# Altium PCB Cyberdeck.PcbDoc (part 2 of 2)
Units mm, origin at the board's own origin, x right, y up, seen from the top; angles counter-clockwise.
Board outline 150 x 120 mm, 2 copper layers (Top Layer, Bottom Layer), stack 1.535 mm thick; 72 components, 114 nets, 477 pads, 1633 vias.
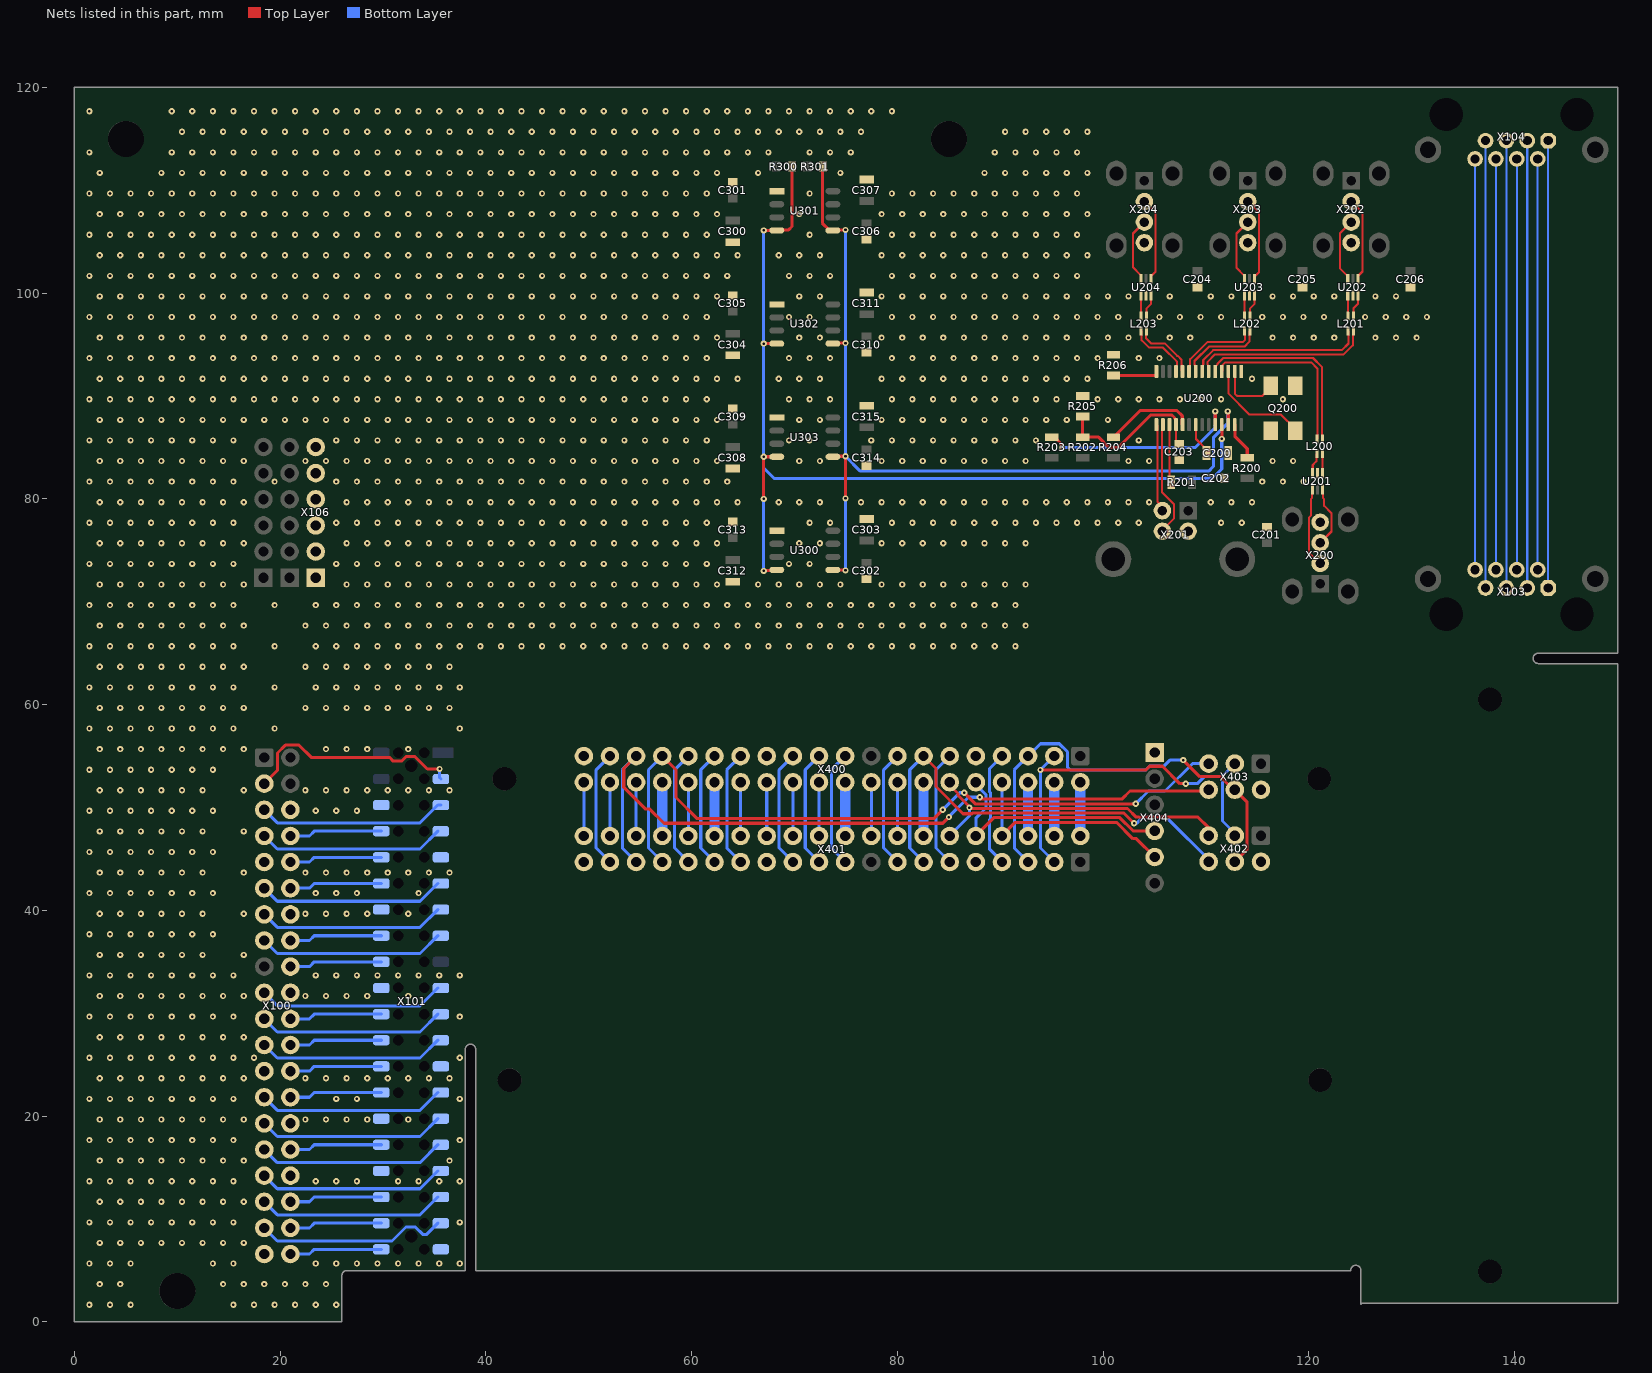
[diagram p2: the nets of this part, all layers, seen from the top]

## Via types
v1: diameter 0.6, hole 0.25, Top Layer to Bottom Layer, tented both sides, 1557 vias
v2: diameter 0.25, hole 0.25, Top Layer to Bottom Layer, tented both sides, 72 vias
v3: diameter 0.8, hole 0.3, Top Layer to Bottom Layer, 4 vias

## Nets (pads, with @x,y where several pads share a name; then routed paths per layer and width w, separated by ;. In a path a pad name is that pad's centre, name@x,y a point inside that pad or via, vN(x,y) a via of type N, cw(c..) or ccw(c..) an arc to the next point about the centre after c; other vN are vias at no path point) (continued)
GND: C200.2 C201.2 C202.1 C203.1 C204.2 C205.2 C206.2 C300.1 C301.1 C302.1 C303.1 C304.1 C305.1 C306.1 C307.1 C308.1 C309.1 C310.1 C311.1 C312.1 C313.1 C314.1 C315.1 Q200.2 Q200.4 R205.1 R206.2 U200.1 U201.2 U202.2 U203.2 U204.2 U300.1 U301.1 U302.1 U303.1 X100.6 X100.9 X100.14 X100.20 X100.25 X100.30 X100.34 X100.39 X101.6 X101.9 X101.14 X101.20 X101.25 X101.30 X101.34 X101.39 X106.1 X106.2 X106.3 X106.4 X106.5 X106.6 X200.4 X201.4 X202.4 X203.4 X204.4
  other v1: 1.46,1.68 3.46,1.68 5.46,1.68 15.46,1.68 17.46,1.68 19.46,1.68 21.46,1.68 23.46,1.68 25.46,1.68 2.46,3.68 4.46,3.68 14.46,3.68 16.46,3.68 18.46,3.68 20.46,3.68 22.46,3.68 24.46,3.68 1.46,5.68 3.46,5.68 5.46,5.68 13.46,5.68 15.46,5.68 23.46,5.68 25.46,5.68 27.46,5.68 29.46,5.68 31.46,5.68 33.46,5.68 35.46,5.68 37.46,5.68 2.46,7.68 4.46,7.68 6.46,7.68 8.46,7.68 10.46,7.68 12.46,7.68 14.46,7.68 16.46,7.68 1.46,9.68 3.46,9.68 5.46,9.68 7.46,9.68 9.46,9.68 11.46,9.68 13.46,9.68 15.46,9.68 37.46,9.68 2.46,11.68 4.46,11.68 6.46,11.68 8.46,11.68 10.46,11.68 12.46,11.68 14.46,11.68 16.46,11.68 1.46,13.68 3.46,13.68 5.46,13.68 7.46,13.68 9.46,13.68 11.46,13.68 13.46,13.68 15.46,13.68 23.46,13.68 25.46,13.68 27.46,13.68 31.46,13.68 33.46,13.68 35.46,13.68 37.46,13.68 2.46,15.68 4.46,15.68 6.46,15.68 8.46,15.68 10.46,15.68 12.46,15.68 14.46,15.68 16.46,15.68 36.46,15.68 1.46,17.68 3.46,17.68 5.46,17.68 7.46,17.68 9.46,17.68 11.46,17.68 13.46,17.68 15.46,17.68 37.46,17.68 2.46,19.68 4.46,19.68 6.46,19.68 8.46,19.68 10.46,19.68 12.46,19.68 14.46,19.68 16.46,19.68 22.46,19.68 24.46,19.68 26.46,19.68 28.46,19.68 32.46,19.68 1.46,21.68 3.46,21.68 5.46,21.68 7.46,21.68 9.46,21.68 11.46,21.68 13.46,21.68 15.46,21.68 25.46,21.68 27.46,21.68 37.46,21.68 2.46,23.68 4.46,23.68 6.46,23.68 8.46,23.68 10.46,23.68 12.46,23.68 14.46,23.68 16.46,23.68 22.46,23.68 24.46,23.68 26.46,23.68 28.46,23.68 30.46,23.68 32.46,23.68 34.46,23.68 36.46,23.68 1.46,25.68 3.46,25.68 5.46,25.68 7.46,25.68 9.46,25.68 11.46,25.68 13.46,25.68 15.46,25.68 17.46,25.68 37.46,25.68 2.46,27.68 4.46,27.68 6.46,27.68 8.46,27.68 10.46,27.68 12.46,27.68 14.46,27.68 16.46,27.68 1.46,29.68 3.46,29.68 5.46,29.68 7.46,29.68 9.46,29.68 11.46,29.68 13.46,29.68 15.46,29.68 37.46,29.68 2.46,31.68 4.46,31.68 6.46,31.68 8.46,31.68 10.46,31.68 12.46,31.68 14.46,31.68 16.46,31.68 22.46,31.68 24.46,31.68 26.46,31.68 28.46,31.68 32.46,31.68 1.46,33.68 3.46,33.68 5.46,33.68 7.46,33.68 9.46,33.68 11.46,33.68 13.46,33.68 15.46,33.68 23.46,33.68 25.46,33.68 27.46,33.68 29.46,33.68 31.46,33.68 33.46,33.68 35.46,33.68 37.46,33.68 2.46,35.68 4.46,35.68 6.46,35.68 8.46,35.68 10.46,35.68 12.46,35.68 16.46,35.68 1.46,37.68 3.46,37.68 5.46,37.68 7.46,37.68 9.46,37.68 11.46,37.68 13.46,37.68 2.46,39.68 4.46,39.68 6.46,39.68 8.46,39.68 10.46,39.68 12.46,39.68 16.46,39.68 22.46,39.68 24.46,39.68 26.46,39.68 28.46,39.68 32.46,39.68 1.46,41.68 3.46,41.68 5.46,41.68 7.46,41.68 9.46,41.68 11.46,41.68 13.46,41.68 23.46,41.68 25.46,41.68 27.46,41.68 33.46,41.68 2.46,43.68 4.46,43.68 6.46,43.68 8.46,43.68 10.46,43.68 12.46,43.68 16.46,43.68 22.46,43.68 24.46,43.68 26.46,43.68 28.46,43.68 30.46,43.68 32.46,43.68 34.46,43.68 36.46,43.68 1.46,45.68 3.46,45.68 5.46,45.68 7.46,45.68 9.46,45.68 11.46,45.68 13.46,45.68 2.46,47.68 4.46,47.68 6.46,47.68 8.46,47.68 10.46,47.68 12.46,47.68 16.46,47.68 1.46,49.68 3.46,49.68 5.46,49.68 7.46,49.68 9.46,49.68 11.46,49.68 13.46,49.68 23.46,49.68 25.46,49.68 27.46,49.68 2.46,51.68 4.46,51.68 6.46,51.68 8.46,51.68 10.46,51.68 12.46,51.68 16.46,51.68 22.46,51.68 24.46,51.68 26.46,51.68 28.46,51.68 30.46,51.68 32.46,51.68 34.46,51.68 36.46,51.68 1.46,53.68 3.46,53.68 5.46,53.68 7.46,53.68 9.46,53.68 11.46,53.68 13.46,53.68 2.46,55.68 4.46,55.68 6.46,55.68 8.46,55.68 10.46,55.68 12.46,55.68 14.46,55.68 16.46,55.68 24.46,55.68 26.46,55.68 28.46,55.68 32.46,55.68 1.46,57.68 3.46,57.68 5.46,57.68 7.46,57.68 9.46,57.68 11.46,57.68 13.46,57.68 15.46,57.68 19.46,57.68 37.46,57.68 2.46,59.68 4.46,59.68 6.46,59.68 8.46,59.68 10.46,59.68 12.46,59.68 14.46,59.68 16.46,59.68 22.46,59.68 24.46,59.68 26.46,59.68 28.46,59.68 30.46,59.68 32.46,59.68 34.46,59.68 36.46,59.68 1.46,61.68 3.46,61.68 5.46,61.68 7.46,61.68 9.46,61.68 11.46,61.68 13.46,61.68 15.46,61.68 19.46,61.68 23.46,61.68 25.46,61.68 27.46,61.68 29.46,61.68 31.46,61.68 33.46,61.68 35.46,61.68 37.46,61.68 2.46,63.68 4.46,63.68 6.46,63.68 8.46,63.68 10.46,63.68 12.46,63.68 14.46,63.68 16.46,63.68 22.46,63.68 24.46,63.68 26.46,63.68 28.46,63.68 30.46,63.68 32.46,63.68 34.46,63.68 36.46,63.68 1.46,65.68 3.46,65.68 5.46,65.68 7.46,65.68 9.46,65.68 11.46,65.68 13.46,65.68 15.46,65.68 19.46,65.68 23.46,65.68 25.46,65.68 27.46,65.68 29.46,65.68 31.46,65.68 33.46,65.68 35.46,65.68 37.46,65.68 39.46,65.68 41.46,65.68 43.46,65.68 45.46,65.68 47.46,65.68 49.46,65.68 51.46,65.68 53.46,65.68 55.46,65.68 57.46,65.68 59.46,65.68 61.46,65.68 63.46,65.68 65.46,65.68 67.46,65.68 69.46,65.68 71.46,65.68 73.46,65.68 75.46,65.68 77.46,65.68 79.46,65.68 81.46,65.68 83.46,65.68 85.46,65.68 87.46,65.68 89.46,65.68 91.46,65.68 2.46,67.68 4.46,67.68 6.46,67.68 8.46,67.68 10.46,67.68 12.46,67.68 14.46,67.68 16.46,67.68 22.46,67.68 24.46,67.68 26.46,67.68 28.46,67.68 30.46,67.68 32.46,67.68 34.46,67.68 36.46,67.68 38.46,67.68 40.46,67.68 42.46,67.68 44.46,67.68 46.46,67.68 48.46,67.68 50.46,67.68 52.46,67.68 54.46,67.68 56.46,67.68 58.46,67.68 60.46,67.68 62.46,67.68 64.46,67.68 66.46,67.68 68.46,67.68 70.46,67.68 72.46,67.68 74.46,67.68 76.46,67.68 78.46,67.68 80.46,67.68 82.46,67.68 84.46,67.68 86.46,67.68 88.46,67.68 90.46,67.68 92.46,67.68 1.46,69.68 3.46,69.68 5.46,69.68 7.46,69.68 9.46,69.68 11.46,69.68 13.46,69.68 15.46,69.68 19.46,69.68 23.46,69.68 25.46,69.68 27.46,69.68 29.46,69.68 31.46,69.68 33.46,69.68 35.46,69.68 37.46,69.68 39.46,69.68 41.46,69.68 43.46,69.68 45.46,69.68 47.46,69.68 49.46,69.68 51.46,69.68 53.46,69.68 55.46,69.68 57.46,69.68 59.46,69.68 61.46,69.68 63.46,69.68 65.46,69.68 67.46,69.68 69.46,69.68 71.46,69.68 73.46,69.68 75.46,69.68 77.46,69.68 79.46,69.68 81.46,69.68 83.46,69.68 85.46,69.68 87.46,69.68 89.46,69.68 91.46,69.68 2.46,71.68 4.46,71.68 6.46,71.68 8.46,71.68 10.46,71.68 12.46,71.68 14.46,71.68 16.46,71.68 26.46,71.68 28.46,71.68 30.46,71.68 32.46,71.68 34.46,71.68 36.46,71.68 38.46,71.68 40.46,71.68 42.46,71.68 44.46,71.68 46.46,71.68 48.46,71.68 50.46,71.68 52.46,71.68 54.46,71.68 56.46,71.68 58.46,71.68 60.46,71.68 62.46,71.68 66.46,71.68 68.46,71.68 70.46,71.68 72.46,71.68 74.46,71.68 78.46,71.68 80.46,71.68 82.46,71.68 84.46,71.68 86.46,71.68 88.46,71.68 90.46,71.68 92.46,71.68 1.46,73.68 3.46,73.68 5.46,73.68 7.46,73.68 9.46,73.68 11.46,73.68 13.46,73.68 15.46,73.68 25.46,73.68 27.46,73.68 29.46,73.68 31.46,73.68 33.46,73.68 35.46,73.68 37.46,73.68 39.46,73.68 41.46,73.68 43.46,73.68 45.46,73.68 47.46,73.68 49.46,73.68 51.46,73.68 53.46,73.68 55.46,73.68 57.46,73.68 59.46,73.68 61.46,73.68 69.46,73.68 71.46,73.68 2.46,75.68 4.46,75.68 6.46,75.68 8.46,75.68 10.46,75.68 12.46,75.68 14.46,75.68 16.46,75.68 26.46,75.68 28.46,75.68 30.46,75.68 32.46,75.68 34.46,75.68 36.46,75.68 38.46,75.68 40.46,75.68 42.46,75.68 44.46,75.68 46.46,75.68 48.46,75.68 50.46,75.68 52.46,75.68 54.46,75.68 56.46,75.68 58.46,75.68 60.46,75.68 62.46,75.68 70.46,75.68 72.46,75.68 78.46,75.68 80.46,75.68 82.46,75.68 84.46,75.68 86.46,75.68 88.46,75.68 90.46,75.68 92.46,75.68 1.46,77.68 3.46,77.68 5.46,77.68 7.46,77.68 9.46,77.68 11.46,77.68 13.46,77.68 15.46,77.68 25.46,77.68 27.46,77.68 29.46,77.68 31.46,77.68 33.46,77.68 35.46,77.68 37.46,77.68 39.46,77.68 41.46,77.68 43.46,77.68 45.46,77.68 47.46,77.68 49.46,77.68 51.46,77.68 53.46,77.68 55.46,77.68 57.46,77.68 59.46,77.68 61.46,77.68 71.46,77.68 73.46,77.68 79.46,77.68 81.46,77.68 83.46,77.68 85.46,77.68 87.46,77.68 89.46,77.68 91.46,77.68 93.46,77.68 95.46,77.68 97.46,77.68 99.46,77.68 101.46,77.68 103.46,77.68 111.46,77.68 113.46,77.68 2.46,79.68 4.46,79.68 6.46,79.68 8.46,79.68 10.46,79.68 12.46,79.68 14.46,79.68 16.46,79.68 26.46,79.68 28.46,79.68 30.46,79.68 32.46,79.68 34.46,79.68 36.46,79.68 38.46,79.68 40.46,79.68 42.46,79.68 44.46,79.68 46.46,79.68 48.46,79.68 50.46,79.68 52.46,79.68 54.46,79.68 56.46,79.68 58.46,79.68 60.46,79.68 62.46,79.68 64.46,79.68 68.46,79.68 70.46,79.68 72.46,79.68 76.46,79.68 78.46,79.68 80.46,79.68 82.46,79.68 84.46,79.68 86.46,79.68 88.46,79.68 90.46,79.68 92.46,79.68 94.46,79.68 96.46,79.68 98.46,79.68 100.46,79.68 102.46,79.68 104.46,79.68 110.46,79.68 112.46,79.68 114.46,79.68 1.46,81.68 3.46,81.68 5.46,81.68 7.46,81.68 9.46,81.68 11.46,81.68 13.46,81.68 15.46,81.68 19.46,81.68 25.46,81.68 27.46,81.68 29.46,81.68 31.46,81.68 33.46,81.68 35.46,81.68 37.46,81.68 39.46,81.68 41.46,81.68 43.46,81.68 45.46,81.68 47.46,81.68 49.46,81.68 51.46,81.68 53.46,81.68 55.46,81.68 57.46,81.68 59.46,81.68 61.46,81.68 63.46,81.68 115.46,81.68 117.46,81.68 119.46,81.68 2.46,83.68 4.46,83.68 6.46,83.68 8.46,83.68 10.46,83.68 12.46,83.68 14.46,83.68 16.46,83.68 22.46,83.68 24.46,83.68 26.46,83.68 28.46,83.68 30.46,83.68 32.46,83.68 34.46,83.68 36.46,83.68 38.46,83.68 40.46,83.68 42.46,83.68 44.46,83.68 46.46,83.68 48.46,83.68 50.46,83.68 52.46,83.68 54.46,83.68 56.46,83.68 58.46,83.68 60.46,83.68 62.46,83.68 70.46,83.68 72.46,83.68 78.46,83.68 80.46,83.68 82.46,83.68 84.46,83.68 86.46,83.68 88.46,83.68 90.46,83.68 92.46,83.68 102.46,83.68 104.46,83.68 116.46,83.68 118.46,83.68 1.46,85.68 3.46,85.68 5.46,85.68 7.46,85.68 9.46,85.68 11.46,85.68 13.46,85.68 15.46,85.68 25.46,85.68 27.46,85.68 29.46,85.68 31.46,85.68 33.46,85.68 35.46,85.68 37.46,85.68 39.46,85.68 41.46,85.68 43.46,85.68 45.46,85.68 47.46,85.68 49.46,85.68 51.46,85.68 53.46,85.68 55.46,85.68 57.46,85.68 59.46,85.68 61.46,85.68 69.46,85.68 71.46,85.68 77.46,85.68 79.46,85.68 81.46,85.68 83.46,85.68 85.46,85.68 87.46,85.68 89.46,85.68 91.46,85.68 93.46,85.68 103.46,85.68 2.46,87.68 4.46,87.68 6.46,87.68 8.46,87.68 10.46,87.68 12.46,87.68 14.46,87.68 16.46,87.68 18.46,87.68 20.46,87.68 22.46,87.68 24.46,87.68 26.46,87.68 28.46,87.68 30.46,87.68 32.46,87.68 34.46,87.68 36.46,87.68 38.46,87.68 40.46,87.68 42.46,87.68 44.46,87.68 46.46,87.68 48.46,87.68 50.46,87.68 52.46,87.68 54.46,87.68 56.46,87.68 58.46,87.68 60.46,87.68 62.46,87.68 70.46,87.68 72.46,87.68 78.46,87.68 80.46,87.68 82.46,87.68 84.46,87.68 86.46,87.68 88.46,87.68 90.46,87.68 92.46,87.68 94.46,87.68 96.46,87.68 100.46,87.68 1.46,89.68 3.46,89.68 5.46,89.68 7.46,89.68 9.46,89.68 11.46,89.68 13.46,89.68 15.46,89.68 17.46,89.68 19.46,89.68 21.46,89.68 23.46,89.68 25.46,89.68 27.46,89.68 29.46,89.68 31.46,89.68 33.46,89.68 35.46,89.68 37.46,89.68 39.46,89.68 41.46,89.68 43.46,89.68 45.46,89.68 47.46,89.68 49.46,89.68 51.46,89.68 53.46,89.68 55.46,89.68 57.46,89.68 59.46,89.68 61.46,89.68 69.46,89.68 71.46,89.68 73.46,89.68 79.46,89.68 81.46,89.68 83.46,89.68 85.46,89.68 87.46,89.68 89.46,89.68 91.46,89.68 93.46,89.68 95.46,89.68 99.46,89.68 101.46,89.68 103.46,89.68 105.46,89.68 107.46,89.68 109.46,89.68 111.46,89.68 117.46,89.68 2.46,91.68 4.46,91.68 6.46,91.68 8.46,91.68 10.46,91.68 12.46,91.68 14.46,91.68 16.46,91.68 18.46,91.68 20.46,91.68 22.46,91.68 24.46,91.68 26.46,91.68 28.46,91.68 30.46,91.68 32.46,91.68 34.46,91.68 36.46,91.68 38.46,91.68 40.46,91.68 42.46,91.68 44.46,91.68 46.46,91.68 48.46,91.68 50.46,91.68 52.46,91.68 54.46,91.68 56.46,91.68 58.46,91.68 60.46,91.68 62.46,91.68 64.46,91.68 68.46,91.68 70.46,91.68 72.46,91.68 78.46,91.68 80.46,91.68 82.46,91.68 84.46,91.68 86.46,91.68 88.46,91.68 90.46,91.68 92.46,91.68 94.46,91.68 96.46,91.68 98.46,91.68 114.46,91.68 1.46,93.68 3.46,93.68 5.46,93.68 7.46,93.68 9.46,93.68 11.46,93.68 13.46,93.68 15.46,93.68 17.46,93.68 19.46,93.68 21.46,93.68 23.46,93.68 25.46,93.68 27.46,93.68 29.46,93.68 31.46,93.68 33.46,93.68 35.46,93.68 37.46,93.68 39.46,93.68 41.46,93.68 43.46,93.68 45.46,93.68 47.46,93.68 49.46,93.68 51.46,93.68 53.46,93.68 55.46,93.68 57.46,93.68 59.46,93.68 61.46,93.68 69.46,93.68 71.46,93.68 73.46,93.68 79.46,93.68 81.46,93.68 83.46,93.68 85.46,93.68 87.46,93.68 89.46,93.68 91.46,93.68 93.46,93.68 95.46,93.68 97.46,93.68 99.46,93.68 103.46,93.68 105.46,93.68 2.46,95.68 4.46,95.68 6.46,95.68 8.46,95.68 10.46,95.68 12.46,95.68 14.46,95.68 16.46,95.68 18.46,95.68 20.46,95.68 22.46,95.68 24.46,95.68 26.46,95.68 28.46,95.68 30.46,95.68 32.46,95.68 34.46,95.68 36.46,95.68 38.46,95.68 40.46,95.68 42.46,95.68 44.46,95.68 46.46,95.68 48.46,95.68 50.46,95.68 52.46,95.68 54.46,95.68 56.46,95.68 58.46,95.68 60.46,95.68 62.46,95.68 70.46,95.68 72.46,95.68 78.46,95.68 80.46,95.68 82.46,95.68 84.46,95.68 86.46,95.68 88.46,95.68 90.46,95.68 92.46,95.68 94.46,95.68 96.46,95.68 98.46,95.68 100.46,95.68 102.46,95.68 106.46,95.68 108.46,95.68 116.46,95.68 118.46,95.68 120.46,95.68 122.46,95.68 126.46,95.68 128.46,95.68 130.46,95.68 1.46,97.68 3.46,97.68 5.46,97.68 7.46,97.68 9.46,97.68 11.46,97.68 13.46,97.68 15.46,97.68 17.46,97.68 19.46,97.68 21.46,97.68 23.46,97.68 25.46,97.68 27.46,97.68 29.46,97.68 31.46,97.68 33.46,97.68 35.46,97.68 37.46,97.68 39.46,97.68 41.46,97.68 43.46,97.68 45.46,97.68 47.46,97.68 49.46,97.68 51.46,97.68 53.46,97.68 55.46,97.68 57.46,97.68 59.46,97.68 61.46,97.68 69.46,97.68 71.46,97.68 79.46,97.68 81.46,97.68 83.46,97.68 85.46,97.68 87.46,97.68 89.46,97.68 91.46,97.68 93.46,97.68 95.46,97.68 97.46,97.68 99.46,97.68 101.46,97.68 105.46,97.68 107.46,97.68 109.46,97.68 111.46,97.68 115.46,97.68 117.46,97.68 119.46,97.68 121.46,97.68 125.46,97.68 127.46,97.68 129.46,97.68 131.46,97.68 2.46,99.68 4.46,99.68 6.46,99.68 8.46,99.68 10.46,99.68 12.46,99.68 14.46,99.68 16.46,99.68 18.46,99.68 20.46,99.68 22.46,99.68 24.46,99.68 26.46,99.68 28.46,99.68 30.46,99.68 32.46,99.68 34.46,99.68 36.46,99.68 38.46,99.68 40.46,99.68 42.46,99.68 44.46,99.68 46.46,99.68 48.46,99.68 50.46,99.68 52.46,99.68 54.46,99.68 56.46,99.68 58.46,99.68 60.46,99.68 62.46,99.68 70.46,99.68 72.46,99.68 78.46,99.68 80.46,99.68 82.46,99.68 84.46,99.68 86.46,99.68 88.46,99.68 90.46,99.68 92.46,99.68 94.46,99.68 96.46,99.68 98.46,99.68 100.46,99.68 102.46,99.68 106.46,99.68 110.46,99.68 112.46,99.68 116.46,99.68 118.46,99.68 120.46,99.68 122.46,99.68 126.46,99.68 128.46,99.68 1.46,101.68 3.46,101.68 5.46,101.68 7.46,101.68 9.46,101.68 11.46,101.68 13.46,101.68 15.46,101.68 17.46,101.68 19.46,101.68 21.46,101.68 23.46,101.68 25.46,101.68 27.46,101.68 29.46,101.68 31.46,101.68 33.46,101.68 35.46,101.68 37.46,101.68 39.46,101.68 41.46,101.68 43.46,101.68 45.46,101.68 47.46,101.68 49.46,101.68 51.46,101.68 53.46,101.68 55.46,101.68 57.46,101.68 59.46,101.68 61.46,101.68 63.46,101.68 69.46,101.68 71.46,101.68 73.46,101.68 79.46,101.68 81.46,101.68 83.46,101.68 85.46,101.68 87.46,101.68 89.46,101.68 91.46,101.68 93.46,101.68 95.46,101.68 97.46,101.68 2.46,103.68 4.46,103.68 6.46,103.68 8.46,103.68 10.46,103.68 12.46,103.68 14.46,103.68 16.46,103.68 18.46,103.68 20.46,103.68 22.46,103.68 24.46,103.68 26.46,103.68 28.46,103.68 30.46,103.68 32.46,103.68 34.46,103.68 36.46,103.68 38.46,103.68 40.46,103.68 42.46,103.68 44.46,103.68 46.46,103.68 48.46,103.68 50.46,103.68 52.46,103.68 54.46,103.68 56.46,103.68 58.46,103.68 60.46,103.68 62.46,103.68 64.46,103.68 68.46,103.68 70.46,103.68 72.46,103.68 78.46,103.68 80.46,103.68 82.46,103.68 84.46,103.68 86.46,103.68 88.46,103.68 90.46,103.68 92.46,103.68 94.46,103.68 96.46,103.68 98.46,103.68 1.46,105.68 3.46,105.68 5.46,105.68 7.46,105.68 9.46,105.68 11.46,105.68 13.46,105.68 15.46,105.68 17.46,105.68 19.46,105.68 21.46,105.68 23.46,105.68 25.46,105.68 27.46,105.68 29.46,105.68 31.46,105.68 33.46,105.68 35.46,105.68 37.46,105.68 39.46,105.68 41.46,105.68 43.46,105.68 45.46,105.68 47.46,105.68 49.46,105.68 51.46,105.68 53.46,105.68 55.46,105.68 57.46,105.68 59.46,105.68 61.46,105.68 71.46,105.68 79.46,105.68 81.46,105.68 83.46,105.68 85.46,105.68 87.46,105.68 89.46,105.68 91.46,105.68 93.46,105.68 95.46,105.68 97.46,105.68 2.46,107.68 4.46,107.68 6.46,107.68 8.46,107.68 10.46,107.68 12.46,107.68 14.46,107.68 16.46,107.68 18.46,107.68 20.46,107.68 22.46,107.68 24.46,107.68 26.46,107.68 28.46,107.68 30.46,107.68 32.46,107.68 34.46,107.68 36.46,107.68 38.46,107.68 40.46,107.68 42.46,107.68 44.46,107.68 46.46,107.68 48.46,107.68 50.46,107.68 52.46,107.68 54.46,107.68 56.46,107.68 58.46,107.68 60.46,107.68 62.46,107.68 70.46,107.68 78.46,107.68 80.46,107.68 82.46,107.68 84.46,107.68 86.46,107.68 88.46,107.68 90.46,107.68 92.46,107.68 94.46,107.68 96.46,107.68 98.46,107.68 1.46,109.68 3.46,109.68 5.46,109.68 7.46,109.68 9.46,109.68 11.46,109.68 13.46,109.68 15.46,109.68 17.46,109.68 19.46,109.68 21.46,109.68 23.46,109.68 25.46,109.68 27.46,109.68 29.46,109.68 31.46,109.68 33.46,109.68 35.46,109.68 37.46,109.68 39.46,109.68 41.46,109.68 43.46,109.68 45.46,109.68 47.46,109.68 49.46,109.68 51.46,109.68 53.46,109.68 55.46,109.68 57.46,109.68 59.46,109.68 61.46,109.68 71.46,109.68 79.46,109.68 81.46,109.68 83.46,109.68 85.46,109.68 87.46,109.68 89.46,109.68 91.46,109.68 93.46,109.68 95.46,109.68 97.46,109.68 2.46,111.68 8.46,111.68 10.46,111.68 12.46,111.68 14.46,111.68 16.46,111.68 18.46,111.68 20.46,111.68 22.46,111.68 24.46,111.68 26.46,111.68 28.46,111.68 30.46,111.68 32.46,111.68 34.46,111.68 36.46,111.68 38.46,111.68 40.46,111.68 42.46,111.68 44.46,111.68 46.46,111.68 48.46,111.68 50.46,111.68 52.46,111.68 54.46,111.68 56.46,111.68 58.46,111.68 60.46,111.68 62.46,111.68 66.46,111.68 74.46,111.68 88.46,111.68 90.46,111.68 92.46,111.68 94.46,111.68 96.46,111.68 98.46,111.68 1.46,113.68 9.46,113.68 11.46,113.68 13.46,113.68 15.46,113.68 17.46,113.68 19.46,113.68 21.46,113.68 23.46,113.68 25.46,113.68 27.46,113.68 29.46,113.68 31.46,113.68 33.46,113.68 35.46,113.68 37.46,113.68 39.46,113.68 41.46,113.68 43.46,113.68 45.46,113.68 47.46,113.68 49.46,113.68 51.46,113.68 53.46,113.68 55.46,113.68 57.46,113.68 59.46,113.68 61.46,113.68 63.46,113.68 65.46,113.68 67.46,113.68 71.46,113.68 73.46,113.68 75.46,113.68 89.46,113.68 91.46,113.68 93.46,113.68 95.46,113.68 97.46,113.68 10.46,115.68 12.46,115.68 14.46,115.68 16.46,115.68 18.46,115.68 20.46,115.68 22.46,115.68 24.46,115.68 26.46,115.68 28.46,115.68 30.46,115.68 32.46,115.68 34.46,115.68 36.46,115.68 38.46,115.68 40.46,115.68 42.46,115.68 44.46,115.68 46.46,115.68 48.46,115.68 50.46,115.68 52.46,115.68 54.46,115.68 56.46,115.68 58.46,115.68 60.46,115.68 62.46,115.68 64.46,115.68 66.46,115.68 68.46,115.68 70.46,115.68 72.46,115.68 74.46,115.68 76.46,115.68 90.46,115.68 92.46,115.68 94.46,115.68 96.46,115.68 98.46,115.68 1.46,117.68 9.46,117.68 11.46,117.68 13.46,117.68 15.46,117.68 17.46,117.68 19.46,117.68 21.46,117.68 23.46,117.68 25.46,117.68 27.46,117.68 29.46,117.68 31.46,117.68 33.46,117.68 35.46,117.68 37.46,117.68 39.46,117.68 41.46,117.68 43.46,117.68 45.46,117.68 47.46,117.68 49.46,117.68 51.46,117.68 53.46,117.68 55.46,117.68 57.46,117.68 59.46,117.68 61.46,117.68 63.46,117.68 65.46,117.68 67.46,117.68 69.46,117.68 71.46,117.68 73.46,117.68 75.46,117.68 77.46,117.68 79.46,117.68
GND_B: X400.6 X400.9 X400.14 X400.20 X400.25 X400.30 X400.34 X400.39 X401.6 X401.9 X401.14 X401.20 X401.25 X401.30 X401.34 X401.39 X402.2 X403.2 X404.1 | length 25.9
  Bottom Layer w1: X401.34@57.14,47.27 X400.34@57.14,52.46 ; X401.30@62.22,47.27 X400.30@62.22,52.46 ; X401.20@74.92,47.27 X400.20@74.92,52.46 ; X401.14@82.54,47.27 X400.14@82.54,52.46 ; X401.6@92.7,47.27 X400.6@92.7,52.46
nEN: R300.1 U200.25 U300.4 U301.4 U302.4 U303.4 | length 96.2
  Top Layer w0.3: v1(67,73) 67.048,73.047 68.227,73.047 U300.4@68.275,73.095 ; v1(67,80) v1(67,84.095) U303.4@68.275,84.095 ; v1(67,95.095) U302.4@68.275,95.095 ; v1(67,106.095) U301.4@68.275,106.095 68.332,106.152 69.421,106.152 69.75,106.481 69.75,112.286 R300.1@69.739,112.297 ; U200.25@111.522,87.21 111.552,87.18 v1@111.552,86.016
  Bottom Layer w0.3: v1(67,73) v1(67,80) ; v1(67,106.095) v1(67,95.095) v1(67,84.095) 67,83 68,82 110.616,82 111.522,82.906 v1(111.522,85.825)
NetC200_1: C200.1 U200.21 | length 3.1
  Top Layer w0.2: U200.21@108.982,87.21 109.022,87.17 109.022,85.824 110.021,84.825 C200.1@110.021,84.5
NetC203_2: C203.2 R202.1 R205.2 U200.18 | length 15.5
  Top Layer w0.2: U200.18@107.077,87.21 107.077,85.633 107.377,85.333 C203.2@107.4,85.333
  Top Layer w0.3: R205.2@98,88 R202.1@98,86 99.551,86 100.551,85 101.449,85 104.594,88.145 106.694,88.145 106.922,87.917 106.922,87.82 107.077,87.665 U200.18@107.077,87.21
NetL200_2: L200.2 U201.3 | length 2.1
  Top Layer w0.2: U201.3@120.328,82.5 120.369,82.541 120.369,83.295 120.724,83.65 120.724,84.334 L200.2@120.765,84.375
NetL200_3: L200.3 U201.1 | length 1.9
  Top Layer w0.2: L200.3@121.315,84.375 121.321,84.369 121.321,82.506 U201.1@121.328,82.5
NetL201_2: L201.2 U202.3 | length 2.2
  Top Layer w0.2: L201.2@124.328,97.77 124.328,98.516 124.766,98.954 U202.3@124.766,99.77
NetL201_3: L201.3 U202.1 | length 2
  Top Layer w0.2: U202.1@123.766,99.77 123.772,99.764 123.772,97.776 L201.3@123.778,97.77
NetL202_2: L202.2 U203.3 | length 2.2
  Top Layer w0.2: L202.2@114.277,97.77 114.277,98.516 114.714,98.954 U203.3@114.714,99.77